# KiCad board SST60HS.kicad_pcb
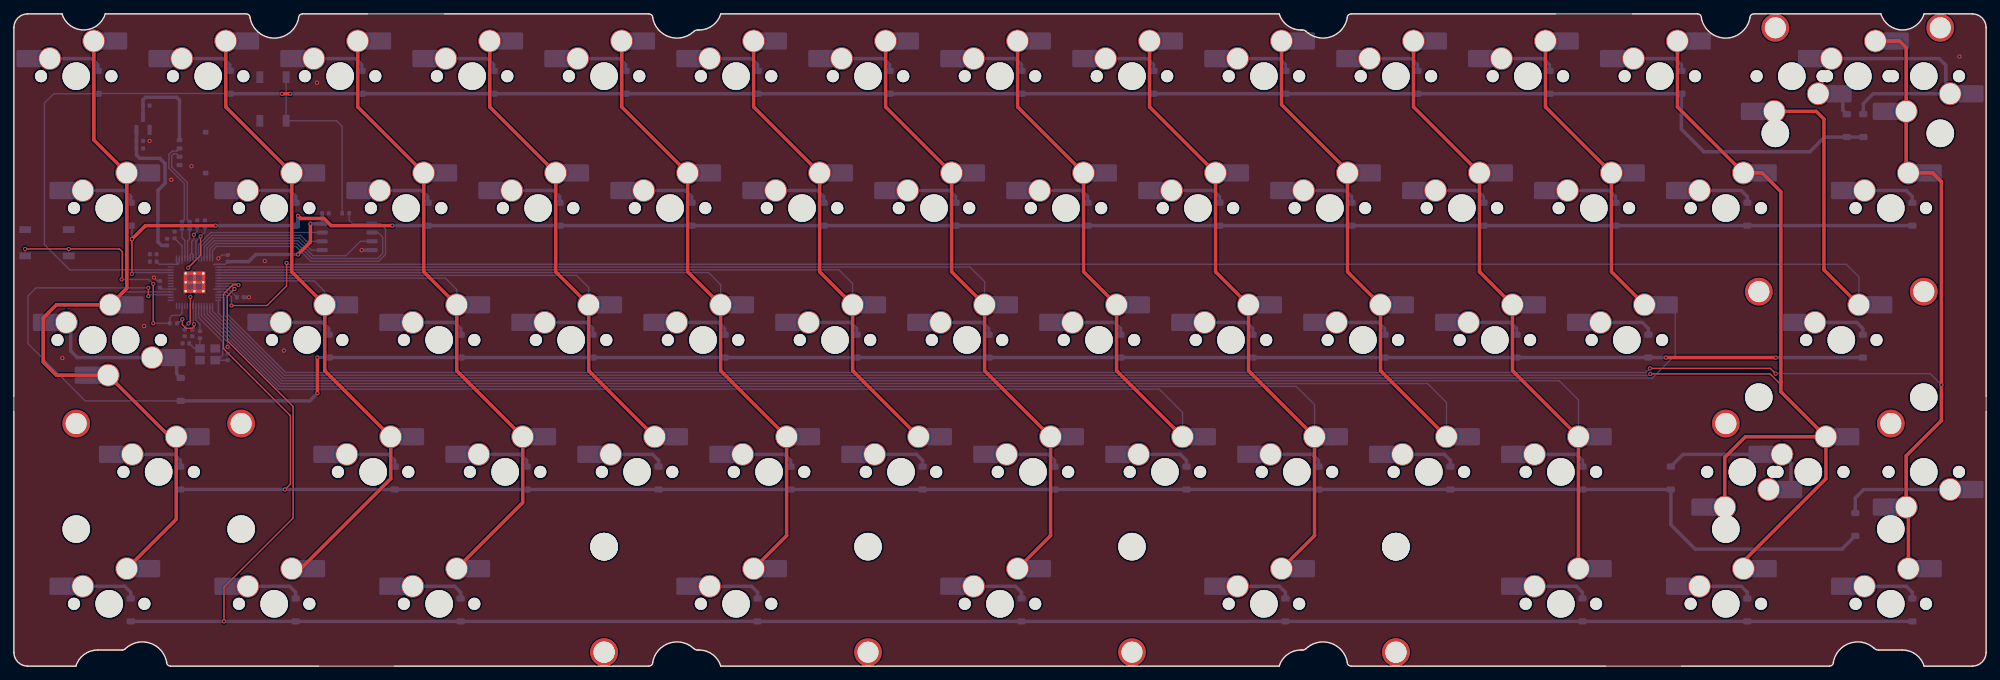
[diagram p0: board, top side]
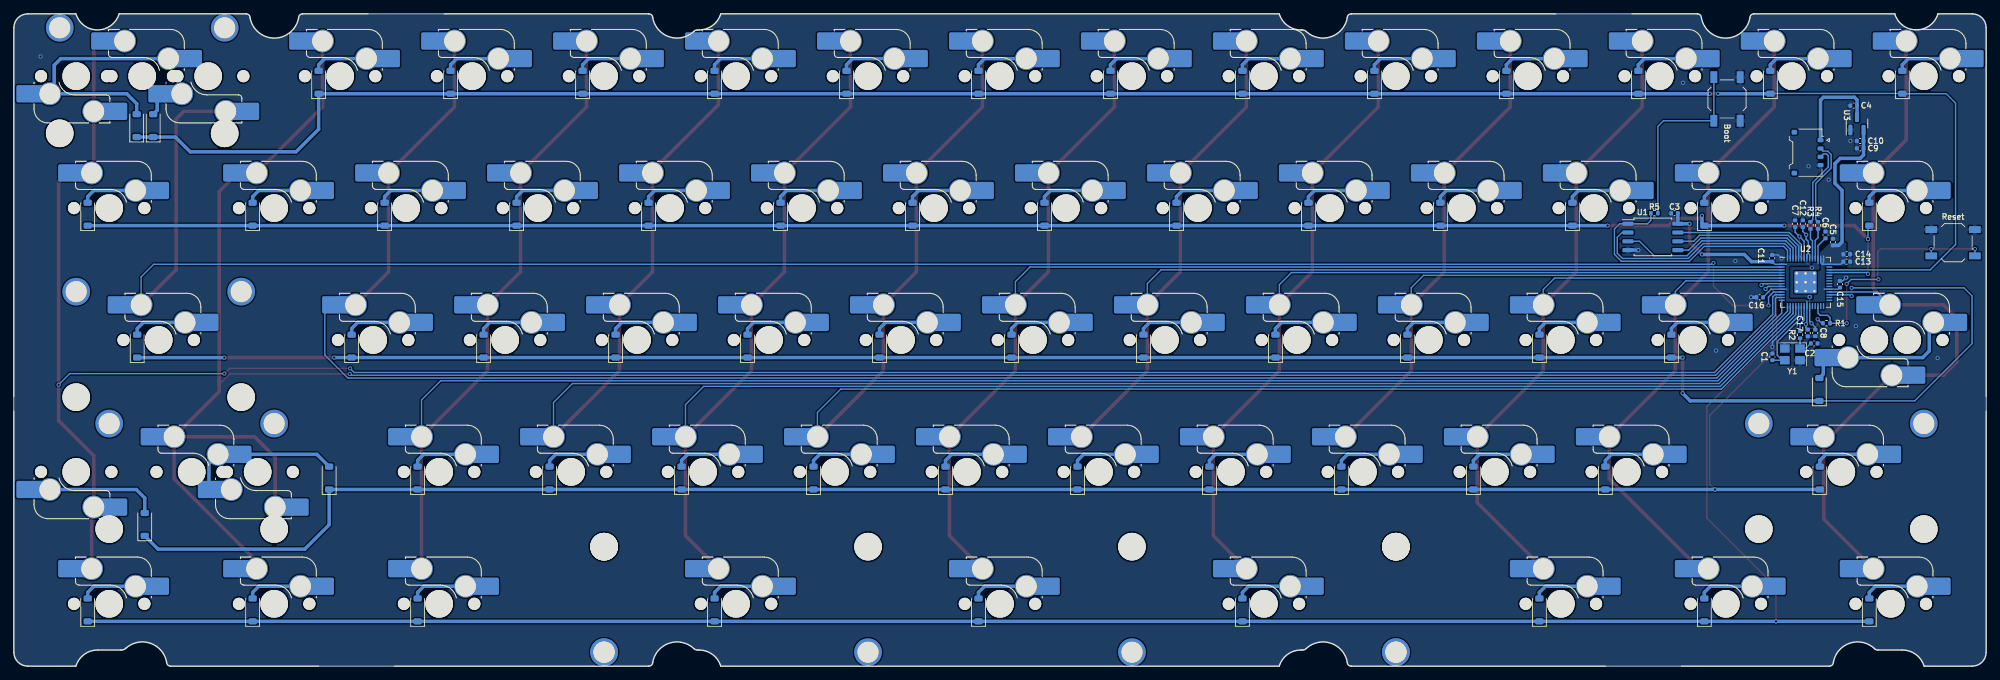
[diagram p1: board, bottom side, seen from below]

Outline 284.7 x 94.2 mm; copper layers: Top, Bottom. Coordinates in mm from the lower left corner of the outline.
Stack: Top 0.035mm / dielectric 1.51mm FR4 er 4.5 / Bottom 0.035mm

## Placement (name value [footprint] x y rotation side)
C1  22pF  [C_0402_1005Metric]  30.86 44.66 270 bottom
C2  22pF  [C_0402_1005Metric]  24.83 46.61 0 bottom
C3  .1u  [C_0402_1005Metric]  44.99 65.4 0 bottom
C4  1u  [C_0402_1005Metric]  19.12 80.95 0 bottom
C5  1u  [C_0402_1005Metric]  22.12 61.24 90 bottom
C6  1u  [C_0402_1005Metric]  23.2 62.27 90 bottom
C7  .1u  [C_0402_1005Metric]  27.58 63.9 90 bottom
C8  .1u  [C_0402_1005Metric]  24.67 48.13 270 bottom
C9  10u  [C_0402_1005Metric]  18.18 74.78 0 bottom
C10  1u  [C_0402_1005Metric]  18.18 75.85 0 bottom
C11  .1u  [C_0402_1005Metric]  30.89 58.9 90 bottom
C12  .1u  [C_0402_1005Metric]  26.47 63.9 90 bottom
C13  .1u  [C_0402_1005Metric]  20.13 58.42 180 bottom
C14  .1u  [C_0402_1005Metric]  20.13 59.49 180 bottom
C15  .1u  [C_0402_1005Metric]  21.11 55.15 90 bottom
C16  .1u  [C_0402_1005Metric]  32.69 53.27 0 bottom
C17  .1u  [C_0402_1005Metric]  25.76 48.12 270 bottom
D1  D_Small  [D_SOD-123]  12.11 84.32 90 bottom
D2  D_Small  [D_SOD-123]  31.16 84.32 90 bottom
D3  D_Small  [D_SOD-123]  50.21 84.32 90 bottom
D4  D_Small  [D_SOD-123]  69.26 84.32 90 bottom
D5  D_Small  [D_SOD-123]  88.31 84.32 90 bottom
D6  D_Small  [D_SOD-123]  107.36 84.32 90 bottom
D7  D_Small  [D_SOD-123]  126.41 84.32 90 bottom
D8  D_Small  [D_SOD-123]  145.46 84.32 90 bottom
D9  D_Small  [D_SOD-123]  164.51 84.32 90 bottom
D10  D_Small  [D_SOD-123]  183.56 84.32 90 bottom
D11  D_Small  [D_SOD-123]  202.61 84.32 90 bottom
D12  D_Small  [D_SOD-123]  221.66 84.32 90 bottom
D13  D_Small  [D_SOD-123]  240.71 84.32 90 bottom
D14  D_Small  [D_SOD-123]  264.59 78.06 90 bottom
D15  D_Small  [D_SOD-123]  266.97 78.06 90 bottom
D17  D_Small  [D_SOD-123]  16.87 65.27 90 bottom
D18  D_Small  [D_SOD-123]  40.68 65.27 90 bottom
D19  D_Small  [D_SOD-123]  59.73 65.27 90 bottom
D20  D_Small  [D_SOD-123]  78.78 65.27 90 bottom
D21  D_Small  [D_SOD-123]  97.83 65.27 90 bottom
D22  D_Small  [D_SOD-123]  116.88 65.27 90 bottom
D23  D_Small  [D_SOD-123]  135.93 65.27 90 bottom
D24  D_Small  [D_SOD-123]  154.98 65.27 90 bottom
D25  D_Small  [D_SOD-123]  174.03 65.27 90 bottom
D26  D_Small  [D_SOD-123]  193.08 65.27 90 bottom
D27  D_Small  [D_SOD-123]  212.13 65.27 90 bottom
D28  D_Small  [D_SOD-123]  231.18 65.27 90 bottom
D29  D_Small  [D_SOD-123]  250.23 65.27 90 bottom
D30  D_Small  [D_SOD-123]  274.04 65.27 90 bottom
D32  D_Small  [D_SOD-123]  24.08 39.96 90 bottom
D33  D_Small  [D_SOD-123]  45.44 46.22 90 bottom
D34  D_Small  [D_SOD-123]  64.49 46.22 90 bottom
D35  D_Small  [D_SOD-123]  83.54 46.22 90 bottom
D36  D_Small  [D_SOD-123]  102.59 46.22 90 bottom
D37  D_Small  [D_SOD-123]  121.64 46.22 90 bottom
D38  D_Small  [D_SOD-123]  140.69 46.22 90 bottom
D39  D_Small  [D_SOD-123]  159.74 46.22 90 bottom
D40  D_Small  [D_SOD-123]  178.79 46.22 90 bottom
D41  D_Small  [D_SOD-123]  197.84 46.22 90 bottom
D42  D_Small  [D_SOD-123]  216.89 46.22 90 bottom
D43  D_Small  [D_SOD-123]  235.94 46.22 90 bottom
D44  D_Small  [D_SOD-123]  266.9 46.22 90 bottom
D45  D_Small  [D_SOD-123]  24.01 27.17 90 bottom
D46  D_Small  [D_SOD-123]  54.97 27.17 90 bottom
D47  D_Small  [D_SOD-123]  74.02 27.17 90 bottom
D48  D_Small  [D_SOD-123]  93.07 27.17 90 bottom
D49  D_Small  [D_SOD-123]  112.12 27.17 90 bottom
D50  D_Small  [D_SOD-123]  131.17 27.17 90 bottom
D51  D_Small  [D_SOD-123]  150.22 27.17 90 bottom
D52  D_Small  [D_SOD-123]  169.27 27.17 90 bottom
D53  D_Small  [D_SOD-123]  188.32 27.17 90 bottom
D54  D_Small  [D_SOD-123]  207.37 27.17 90 bottom
D55  D_Small  [D_SOD-123]  226.42 27.17 90 bottom
D57  D_Small  [D_SOD-123]  239.19 27.17 90 bottom
D58  D_Small  [D_SOD-123]  265.81 20.47 90 bottom
D59  D_Small  [D_SOD-123]  16.87 8.12 90 bottom
D60  D_Small  [D_SOD-123]  40.68 8.12 90 bottom
D61  D_Small  [D_SOD-123]  64.49 8.12 90 bottom
D62  D_Small  [D_SOD-123]  107.36 8.12 90 bottom
D63  D_Small  [D_SOD-123]  145.46 8.12 90 bottom
D64  D_Small  [D_SOD-123]  183.56 8.12 90 bottom
D65  D_Small  [D_SOD-123]  226.42 8.12 90 bottom
D66  D_Small  [D_SOD-123]  250.23 8.12 90 bottom
D67  D_Small  [D_SOD-123]  274.04 8.12 90 bottom
H1  PCB Outline  [L60 Outline]  142.34 44.57 0 top
J1  SM04B  [Molex_Pico-EZmate_78171-0004_1x04-1MP_P1.20mm_Vertical]  25.79 74.16 270 bottom
R1  1k  [R_0402_1005Metric]  23.04 49.52 180 bottom
R2  1k  [R_0402_1005Metric]  26.87 47.86 90 bottom
R3  27  [R_0402_1005Metric]  25.37 63.66 270 bottom
R4  27  [R_0402_1005Metric]  24.27 63.66 270 bottom
R5  1k  [R_0402_1005Metric]  47.9 65.41 0 bottom
S15  MX_stab  [STAB_MX_P_2u]  266.18 85.2 0 top
S44  MX_stab  [STAB_MX_P_2.25u]  263.79 47.1 0 top
S45  MX_stab  [STAB_MX_P_2.25u]  20.91 28.05 0 top
S57  MX_stab  [STAB_MX_P_2.75u]  259.03 28.05 0 top
S62  MX_stab  [STAB_MX_P_3u]  104.25 9 180 top
S63  MX_stab  [STAB_MX_P_7u]  142.35 9 180 top
S64  MX_stab  [STAB_MX_P_3u]  180.45 9 180 top
SW1  MX_SW_HS  [SW_MX_HS_1u]  9 85.2 180 bottom
SW2  MX_SW_HS  [SW_MX_HS_1u]  28.05 85.2 180 bottom
SW3  MX_SW_HS  [SW_MX_HS_1u]  47.1 85.2 180 bottom
SW4  MX_SW_HS  [SW_MX_HS_1u]  66.15 85.2 180 bottom
SW5  MX_SW_HS  [SW_MX_HS_1u]  85.2 85.2 180 bottom
SW6  MX_SW_HS  [SW_MX_HS_1u]  104.25 85.2 180 bottom
SW7  MX_SW_HS  [SW_MX_HS_1u]  123.3 85.2 180 bottom
SW8  MX_SW_HS  [SW_MX_HS_1u]  142.35 85.2 180 bottom
SW9  MX_SW_HS  [SW_MX_HS_1u]  161.4 85.2 180 bottom
SW10  MX_SW_HS  [SW_MX_HS_1u]  180.45 85.2 180 bottom
SW11  MX_SW_HS  [SW_MX_HS_1u]  199.5 85.2 180 bottom
SW12  MX_SW_HS  [SW_MX_HS_1u]  218.55 85.2 180 bottom
SW13  MX_SW_HS  [SW_MX_HS_1u]  237.6 85.2 180 bottom
SW14  MX_SW_HS  [SW_MX_HS_1u]  256.65 85.2 0 bottom
SW15  MX_SW_HS  [SW_MX_HS_1u]  266.18 85.2 180 bottom
SW16  MX_SW_HS  [SW_MX_HS_1u]  275.7 85.2 0 bottom
SW17  MX_SW_HS  [SW_MX_HS_1u]  13.76 66.15 180 bottom
SW18  MX_SW_HS  [SW_MX_HS_1u]  37.58 66.15 180 bottom
SW19  MX_SW_HS  [SW_MX_HS_1u]  56.63 66.15 180 bottom
SW20  MX_SW_HS  [SW_MX_HS_1u]  75.68 66.15 180 bottom
SW21  MX_SW_HS  [SW_MX_HS_1u]  94.73 66.15 180 bottom
SW22  MX_SW_HS  [SW_MX_HS_1u]  113.78 66.15 180 bottom
SW23  MX_SW_HS  [SW_MX_HS_1u]  132.83 66.15 180 bottom
SW24  MX_SW_HS  [SW_MX_HS_1u]  151.88 66.15 180 bottom
SW25  MX_SW_HS  [SW_MX_HS_1u]  170.93 66.15 180 bottom
SW26  MX_SW_HS  [SW_MX_HS_1u]  189.98 66.15 180 bottom
SW27  MX_SW_HS  [SW_MX_HS_1u]  209.03 66.15 180 bottom
SW28  MX_SW_HS  [SW_MX_HS_1u]  228.08 66.15 180 bottom
SW29  MX_SW_HS  [SW_MX_HS_1u]  247.13 66.15 180 bottom
SW30  MX_SW_HS  [SW_MX_HS_1u]  270.94 66.15 180 bottom
SW31  MX_SW_HS  [SW_MX_HS_1u]  11.38 47.1 180 bottom
SW32  MX_SW_HS  [SW_MX_HS_1u]  16.14 47.1 0 bottom
SW33  MX_SW_HS  [SW_MX_HS_1u]  42.34 47.1 180 bottom
SW34  MX_SW_HS  [SW_MX_HS_1u]  61.39 47.1 180 bottom
SW35  MX_SW_HS  [SW_MX_HS_1u]  80.44 47.1 180 bottom
SW36  MX_SW_HS  [SW_MX_HS_1u]  99.49 47.1 180 bottom
SW37  MX_SW_HS  [SW_MX_HS_1u]  118.54 47.1 180 bottom
SW38  MX_SW_HS  [SW_MX_HS_1u]  137.59 47.1 180 bottom
SW39  MX_SW_HS  [SW_MX_HS_1u]  156.64 47.1 180 bottom
SW40  MX_SW_HS  [SW_MX_HS_1u]  175.69 47.1 180 bottom
SW41  MX_SW_HS  [SW_MX_HS_1u]  194.74 47.1 180 bottom
SW42  MX_SW_HS  [SW_MX_HS_1u]  213.79 47.1 180 bottom
SW43  MX_SW_HS  [SW_MX_HS_1u]  232.84 47.1 180 bottom
SW44  MX_SW_HS  [SW_MX_HS_1u]  263.79 47.1 180 bottom
SW45  MX_SW_HS  [SW_MX_HS_1u]  20.91 28.05 180 bottom
SW46  MX_SW_HS  [SW_MX_HS_1u]  51.86 28.05 180 bottom
SW47  MX_SW_HS  [SW_MX_HS_1u]  70.91 28.05 180 bottom
SW48  MX_SW_HS  [SW_MX_HS_1u]  89.96 28.05 180 bottom
SW49  MX_SW_HS  [SW_MX_HS_1u]  109.01 28.05 180 bottom
SW50  MX_SW_HS  [SW_MX_HS_1u]  128.06 28.05 180 bottom
SW51  MX_SW_HS  [SW_MX_HS_1u]  147.11 28.05 180 bottom
SW52  MX_SW_HS  [SW_MX_HS_1u]  166.16 28.05 180 bottom
SW53  MX_SW_HS  [SW_MX_HS_1u]  185.21 28.05 180 bottom
SW54  MX_SW_HS  [SW_MX_HS_1u]  204.26 28.05 180 bottom
SW55  MX_SW_HS  [SW_MX_HS_1u]  223.31 28.05 180 bottom
SW56  MX_SW_HS  [SW_MX_HS_1u]  249.51 28.05 0 bottom
SW57  MX_SW_HS  [SW_MX_HS_1u]  259.03 28.05 180 bottom
SW58  MX_SW_HS  [SW_MX_HS_1u]  275.7 28.05 0 bottom
SW59  MX_SW_HS  [SW_MX_HS_1u]  13.76 9 180 bottom
SW60  MX_SW_HS  [SW_MX_HS_1u]  37.58 9 180 bottom
SW61  MX_SW_HS  [SW_MX_HS_1u]  61.39 9 180 bottom
SW62  MX_SW_HS  [SW_MX_HS_1u]  104.25 9 180 bottom
SW63  MX_SW_HS  [SW_MX_HS_1u]  142.35 9 180 bottom
SW64  MX_SW_HS  [SW_MX_HS_1u]  180.45 9 180 bottom
SW65  MX_SW_HS  [SW_MX_HS_1u]  223.31 9 180 bottom
SW66  MX_SW_HS  [SW_MX_HS_1u]  247.13 9 180 bottom
SW67  MX_SW_HS  [SW_MX_HS_1u]  270.94 9 180 bottom
SW68  Boot  [SW_SPST_TL3342]  37.41 81.91 270 bottom
SW69  Reset  [SW_SPST_TL3342]  4.78 61.15 0 bottom
U1  W25Q128JVS  [SOIC-8_5.23x5.23mm_P1.27mm]  48.11 61.99 180 bottom
U2  RP2040  [RP2040-QFN-56]  26.08 55.43 180 bottom
U3  XC6206PxxxMR  [SOT-23]  18.65 78.37 90 bottom
Y1  12MHz  [Crystal_SMD_3225-4Pin_3.2x2.5mm]  27.97 45.03 0 bottom

## Library data of the parts
C1-C17 = -: Description: Unpolarized capacitor, small symbol
D1-D15 D17-D30 D32-D55 D57-D67 = -: Description: Diode, small symbol; Sim.Device: D; Sim.Pins: 1=K 2=A
J1 = -: Description: Generic connector, single row, 01x04, script generated (kicad-library-utils/schlib/autogen/connector/)
R1-R5 = -: Description: Resistor, small symbol
S15 S44 S45 S57 S62-S64 = -: Description: Cherry MX-style stabilizer
SW1-SW67 = -: Description: Push button switch, normally open, two pins, 45° tilted
SW68 SW69 = -: Description: Push button switch, generic, two pins
U1 = -: Description: 128Mb Serial Flash Memory, Standard/Dual/Quad SPI, SOIC-8
U3 = -: Description: Positive 60-250mA Low Dropout Regulator, Fixed Output, SOT-23
Y1 = -: Description: Four pin crystal, GND on pins 2 and 4, small symbol

## Footprints (pads in the part's own frame, mm; a bottom-side part is the same pattern mirrored in y, then rotated)
C_0402_1005Metric
  rrect 0.56x0.62 smd: 1(-0.48,0) 2(0.48,0)
Crystal_SMD_3225-4Pin_3.2x2.5mm
  rect 1.4x1.2 smd: 1(-1.1,-0.85) 2(1.1,-0.85) 3(1.1,0.85) 4(-1.1,0.85)
D_SOD-123
  rrect 0.9x1.2 smd: 1(-1.65,0) 2(1.65,0)
Molex_Pico-EZmate_78171-0004_1x04-1MP_P1.20mm_Vertical
  rrect 0.6x0.85 smd: 1(-1.8,1.875) 2(-0.6,1.875) 3(0.6,1.875) 4(1.8,1.875)
  rrect 0.7x0.8 smd: MP(-2.95,-1.9) MP(2.95,-1.9)
R_0402_1005Metric
  rrect 0.54x0.64 smd: 1(-0.51,0) 2(0.51,0)
RP2040-QFN-56
  rrect 1.084x1.084 smd: (-0.637,-0.637) (-0.637,0.637) (0.637,-0.637) (0.637,0.637)
  rrect 0.875x0.2 smd: 1(-3.438,2.6) 2(-3.438,2.2) 3(-3.438,1.8) 4(-3.438,1.4) 5(-3.438,1) 6(-3.438,0.6) 7(-3.438,0.2) 8(-3.438,-0.2) 9(-3.438,-0.6) 10(-3.438,-1) 11(-3.438,-1.4) 12(-3.438,-1.8) 13(-3.438,-2.2) 14(-3.438,-2.6) 29(3.438,-2.6) 30(3.438,-2.2) 31(3.438,-1.8) 32(3.438,-1.4) 33(3.438,-1) 34(3.438,-0.6) 35(3.438,-0.2) 36(3.438,0.2) 37(3.438,0.6) 38(3.438,1) 39(3.438,1.4) 40(3.438,1.8) 41(3.438,2.2) 42(3.438,2.6)
  rrect 0.2x0.875 smd: 15(-2.6,-3.438) 16(-2.2,-3.438) 17(-1.8,-3.438) 18(-1.4,-3.438) 19(-1,-3.438) 20(-0.6,-3.438) 21(-0.2,-3.438) 22(0.2,-3.438) 23(0.6,-3.438) 24(1,-3.438) 25(1.4,-3.438) 26(1.8,-3.438) 27(2.2,-3.438) 28(2.6,-3.438) 43(2.6,3.438) 44(2.2,3.438) 45(1.8,3.438) 46(1.4,3.438) 47(1,3.438) 48(0.6,3.438) 49(0.2,3.438) 50(-0.2,3.438) 51(-0.6,3.438) 52(-1,3.438) 53(-1.4,3.438) 54(-1.8,3.438) 55(-2.2,3.438) 56(-2.6,3.438)
  round 0.6 hole 0.35: 57(-1.275,-1.275) 57(-1.275,0) 57(-1.275,1.275) 57(0,-1.275) 57(0,0) 57(0,1.275) 57(1.275,-1.275) 57(1.275,0) 57(1.275,1.275)
  rrect 3.2x3.2 smd: 57(0,0)
SOIC-8_5.23x5.23mm_P1.27mm
  rrect 1.6x0.6 smd: 1(-3.6,1.905) 2(-3.6,0.635) 3(-3.6,-0.635) 4(-3.6,-1.905) 5(3.6,-1.905) 6(3.6,-0.635) 7(3.6,0.635) 8(3.6,1.905)
SOT-23
  rrect 1.475x0.6 smd: 1(-0.938,0.95) 2(-0.938,-0.95) 3(0.938,0)
STAB_MX_P_2.25u
  round 4 hole 3.048: (-11.906,6.985) (11.906,6.985)
  round 3.988 hole 3.988 unplated: (-11.906,-8.255) (11.906,-8.255)
STAB_MX_P_2.75u
  round 4 hole 3.048: (-11.906,6.985) (11.906,6.985)
  round 3.988 hole 3.988 unplated: (-11.906,-8.255) (11.906,-8.255)
STAB_MX_P_2u
  round 4 hole 3.048: (-11.906,6.985) (11.906,6.985)
  round 3.988 hole 3.988 unplated: (-11.906,-8.255) (11.906,-8.255)
STAB_MX_P_3u
  round 4 hole 3.048: (-19.05,6.985) (19.05,6.985)
  round 3.988 hole 3.988 unplated: (-19.05,-8.255) (19.05,-8.255)
STAB_MX_P_7u
  round 4 hole 3.048: (-57.15,6.985) (57.15,6.985)
  round 3.988 hole 3.988 unplated: (-57.15,-8.255) (57.15,-8.255)
SW_MX_HS_1u
  round 1.75 hole 1.75 unplated: (-5.08,0) (5.08,0)
  round 3.988 hole 3.988 unplated: (0,0)
  round 3.3 hole 3: 1(3.81,2.54) 2(-2.54,5.08)
  rect 1.65x2.5 smd: 1(5.635,2.54) 2(-4.34,5.08)
  rrect 2.55x2.5 smd: 1(7.36,2.54) 2(-6.09,5.08)
SW_SPST_TL3342
  rect 1.7x1 smd: 1(-3.15,1.9) 1(3.15,1.9) 2(-3.15,-1.9) 2(3.15,-1.9)

## Nets
+1V1: C6.1 C7.1 C8.1 U2.23 U2.45 U2.50
+3V3: C3.1 C5.1 C9.1 C10.1 C11.1 C12.1 C13.1 C14.1 C15.1 C16.1 C17.1 R1.1 U1.8 U2.1 U2.10 U2.22 U2.33 U2.42 U2.43 U2.44 U2.48 U2.49 U3.2
+5V: C4.1 J1.1 U3.3
GND: C1.1 C2.1 C3.2 C4.2 C5.2 C6.2 C7.2 C8.2 C9.2 C10.2 C11.2 C12.2 C13.2 C14.2 C15.2 C16.2 C17.2 J1.4 SW68.1 SW69.2 U1.4 U2.19 U2.57 U3.1 Y1.2 Y1.4
col0: SW1.2 SW17.2 SW31.2 SW32.2 SW45.2 SW59.2 U2.32
col1: SW2.2 SW18.2 SW33.2 SW46.2 SW60.2 U2.7
col2: SW3.2 SW19.2 SW34.2 SW47.2 SW61.2 U2.6
col3: SW4.2 SW20.2 SW35.2 SW48.2 U2.5
col4: SW5.2 SW21.2 SW36.2 SW49.2 SW62.2 U2.4
col5: SW6.2 SW22.2 SW37.2 SW50.2 U2.3
col6: SW7.2 SW23.2 SW38.2 SW51.2 SW63.2 U2.2
col7: SW8.2 SW24.2 SW39.2 SW52.2 U2.18
col8: SW9.2 SW25.2 SW40.2 SW53.2 SW64.2 U2.17
col9: SW10.2 SW26.2 SW41.2 SW54.2 U2.16
col10: SW11.2 SW27.2 SW42.2 SW55.2 SW65.2 U2.15
col11: SW12.2 SW28.2 SW43.2 U2.14
col12: SW13.2 SW29.2 SW56.2 SW57.2 SW66.2 U2.13
col13: SW14.2 SW44.2 U2.11
col14: SW15.2 SW16.2 SW30.2 SW58.2 SW67.2 U2.12
CS: R5.2 U1.1 U2.56
D+: J1.3 R3.1
D-: J1.2 R4.1
QSPI_CLK: U1.6 U2.52
RESET: R1.2 SW69.1 U2.26
row0: D1.1 D2.1 D3.1 D4.1 D5.1 D6.1 D7.1 D8.1 D9.1 D10.1 D11.1 D12.1 D13.1 D14.1 D15.1 U2.40
row1: D17.1 D18.1 D19.1 D20.1 D21.1 D22.1 D23.1 D24.1 D25.1 D26.1 D27.1 D28.1 D29.1 D30.1 U2.39
row2: D32.1 D33.1 D34.1 D35.1 D36.1 D37.1 D38.1 D39.1 D40.1 D41.1 D42.1 D43.1 D44.1 U2.31
row3: D45.1 D46.1 D47.1 D48.1 D49.1 D50.1 D51.1 D52.1 D53.1 D54.1 D55.1 D57.1 D58.1 U2.8
row4: D59.1 D60.1 D61.1 D62.1 D63.1 D64.1 D65.1 D66.1 D67.1 U2.9
SD0: U1.5 U2.53
SD1: U1.2 U2.55
SD2: U1.3 U2.54
SD3: U1.7 U2.51
SWCLK: U2.24
SWDIO: U2.25
XTAL_IN: C1.2 U2.20 Y1.3
XTAL_OUT: R2.2 U2.21
Net-(C2-Pad2): C2.2 R2.1 Y1.1
Net-(D1-A): D1.2 SW1.1
Net-(D2-A): D2.2 SW2.1
Net-(D3-A): D3.2 SW3.1
Net-(D4-A): D4.2 SW4.1
Net-(D5-A): D5.2 SW5.1
Net-(D6-A): D6.2 SW6.1
Net-(D7-A): D7.2 SW7.1
Net-(D8-A): D8.2 SW8.1
Net-(D9-A): D9.2 SW9.1
Net-(D10-A): D10.2 SW10.1
Net-(D11-A): D11.2 SW11.1
Net-(D12-A): D12.2 SW12.1
Net-(D13-A): D13.2 SW13.1
Net-(D14-A): D14.2 SW14.1
Net-(D15-A): D15.2 SW15.1 SW16.1
Net-(D17-A): D17.2 SW17.1
Net-(D18-A): D18.2 SW18.1
Net-(D19-A): D19.2 SW19.1
Net-(D20-A): D20.2 SW20.1
Net-(D21-A): D21.2 SW21.1
Net-(D22-A): D22.2 SW22.1
Net-(D23-A): D23.2 SW23.1
Net-(D24-A): D24.2 SW24.1
Net-(D25-A): D25.2 SW25.1
Net-(D26-A): D26.2 SW26.1
Net-(D27-A): D27.2 SW27.1
Net-(D28-A): D28.2 SW28.1
Net-(D29-A): D29.2 SW29.1
Net-(D30-A): D30.2 SW30.1
Net-(D32-A): D32.2 SW31.1 SW32.1
Net-(D33-A): D33.2 SW33.1
Net-(D34-A): D34.2 SW34.1
Net-(D35-A): D35.2 SW35.1
Net-(D36-A): D36.2 SW36.1
Net-(D37-A): D37.2 SW37.1
Net-(D38-A): D38.2 SW38.1
Net-(D39-A): D39.2 SW39.1
Net-(D40-A): D40.2 SW40.1
Net-(D41-A): D41.2 SW41.1
Net-(D42-A): D42.2 SW42.1
Net-(D43-A): D43.2 SW43.1
Net-(D44-A): D44.2 SW44.1
Net-(D45-A): D45.2 SW45.1
Net-(D46-A): D46.2 SW46.1
Net-(D47-A): D47.2 SW47.1
Net-(D48-A): D48.2 SW48.1
Net-(D49-A): D49.2 SW49.1
Net-(D50-A): D50.2 SW50.1
Net-(D51-A): D51.2 SW51.1
Net-(D52-A): D52.2 SW52.1
Net-(D53-A): D53.2 SW53.1
Net-(D54-A): D54.2 SW54.1
Net-(D55-A): D55.2 SW55.1
Net-(D57-A): D57.2 SW56.1 SW57.1
Net-(D58-A): D58.2 SW58.1
Net-(D59-A): D59.2 SW59.1
Net-(D60-A): D60.2 SW60.1
Net-(D61-A): D61.2 SW61.1
Net-(D62-A): D62.2 SW62.1
Net-(D63-A): D63.2 SW63.1
Net-(D64-A): D64.2 SW64.1
Net-(D65-A): D65.2 SW65.1
Net-(D66-A): D66.2 SW66.1
Net-(D67-A): D67.2 SW67.1
Net-(R5-Pad1): R5.1 SW68.2
Net-(U2-D+): R3.2 U2.47
Net-(U2-D-): R4.2 U2.46

Pads without a net: J1 MP; U2 27 28 29 30 34 35 36 37 38 41

## Via types
v1: diameter 0.6, hole 0.35, Top to Bottom, 52 vias

## Routing (per net, layer and track width the routed paths; a pad name or vN(x,y) marks a point on that pad's centre or on a via; arc(x,y) is an arc through that point)
+1V1: length 22.1
  Top w0.2: v1(25.48,53.33) 25.48,49.77 v1(25.21,49.5) ; v1(25.17,57.53) 26.96,59.32 v1(26.96,62.05)
  Bottom w0.2: U2.23 25.48,49.77 v1(25.21,49.5) 24.67,48.96 C8.1 ; C7.1 27.58,62.67 v1(26.96,62.05) 26.28,61.37 U2.50 ; C6.1 24.28,60.71 U2.45 24.28,58.16
+3V3: length 68.2
  Top w0.2: v1(24.33,50.1) 24.33,49.31 24.85,48.79 25.75,48.79 26.02,49.06 v1(26.02,49.37)
  Top w0.5: v1(41.01,59.45) 42.82,61.26 v1(42.82,63.9)
  Bottom w0.2: v1(24.33,50.1) 23.75,49.52 R1.1 ; U2.44 23.88,58.28 23.68,58.08 ; U2.43 23.48,58.28 23.68,58.08 ; U2.49 25.88,59.43 25.68,59.63 ; 23.68,58.08 23.63,58.03 U2.42 20.99,58.03 C13.1 ; C17.1 26.02,48.86 v1(26.02,49.37) 25.88,49.52 U2.22 25.88,52.71 ; C12.1 26.47,62.79 v1(25.98,62.3) 25.98,61.64 25.68,61.34 25.68,59.63 ; 28.82,58.03 U2.1 30.5,58.03 C11.1 ; C16.1 31.04,54.43 U2.10 28.8,54.43 ; C15.1 21.34,54.43 U2.33 23.37,54.43 23.38,54.44 ; U2.48 25.48,59.43 25.68,59.63
  Bottom w0.5: U3.2 C9.1 17.7,73.82 18.18,73.34 21.07,73.34 21.83,72.58 21.83,69.73 20.81,68.71 20.81,61.26 21.31,60.76 C5.1 ; C3.1 U1.8 42.82,63.89 v1(42.82,63.9) ; v1(41.01,59.45) 34.91,59.45 33.88,58.42 C11.1
+5V: length 13.9
  Bottom w0.5: U3.3 18.64,79.31 C4.1 18.64,81.78 19.02,82.16 23.5,82.16 23.91,81.74 J1.1
GND: length 27.7
  Top w0.5: U2.57 U2.57 ; U2.57 U2.57 ; U2.57 U2.57 U2.57 U2.57 U2.57
  Bottom w0.2: C11.2 30.02,59.38 v1(29.53,58.89) ; v1(20.23,56.12) 20.72,55.63 C15.2 ; U2.19 27.08,50.59 30.86,46.81 v1(30.86,46.12)
  Bottom w0.5: U1.4 50.21,60.08 v1(50.21,60.08) ; C16.2 v1(33.95,53.27)
  vias: v1(7.01,44.49) v1(18.81,49.11) v1(19.6,75.85) v1(22.73,70.25) v1(25.65,72.19) v1(36.22,58.52) v1(38.98,45.57) v1(43.76,84.25) v1(280.85,88.04)
col0: length 113.1
  Top w0.5: SW1.2 11.54,75.99 SW17.2 16.3,54.56 SW31.2 6.14,52.18 4.24,50.27 4.24,43.92 6.14,42.02 SW32.2 22.49,33.13 SW45.2 23.45,21.22 SW59.2
  Bottom w0.2: SW31.2 15.78,54.03 U2.32
col1: length 110.7
  Top w0.5: SW60.2 41.42,14.08 54.4,27.06 SW46.2 44.88,42.65 SW33.2 40.12,56.94 SW18.2 30.59,80.75 SW2.2
  Bottom w0.2: U2.7 43.35,55.63 44.88,54.1 SW33.2
col2: length 127.3
  Top w0.5: SW61.2 73.45,23.6 SW47.2 63.93,42.65 SW34.2 59.17,56.94 SW19.2 49.64,80.75 SW3.2
  Bottom w0.2: U2.6 62.29,56.03 63.93,54.39 SW34.2
col3: length 123.7
  Top w0.5: SW4.2 68.69,80.75 SW20.2 78.22,56.94 SW35.2 82.98,42.65 SW48.2
  Bottom w0.2: U2.5 81.21,56.43 82.98,54.66 SW35.2
col4: length 164.2
  Top w0.5: SW62.2 111.55,18.84 SW49.2 102.03,42.65 SW36.2 97.27,56.94 SW21.2 87.74,80.75 SW5.2
  Bottom w0.2: U2.4 100.28,56.83 102.03,55.08 SW36.2
col5: length 162.5
  Top w0.5: SW50.2 121.08,42.65 SW37.2 116.32,56.94 SW22.2 106.79,80.75 SW6.2
  Bottom w0.2: SW37.2 121.08,55.25 119.1,57.23 U2.3
col6: length 202.9
  Top w0.5: 125.84,90.28 125.84,80.75 SW23.2 135.37,56.94 SW38.2 140.13,42.65 SW51.2 149.65,18.84 SW63.2
  Bottom w0.2: U2.2 138.02,57.63 140.13,55.52 SW38.2
col7: length 218.8
  Top w0.5: SW52.2 159.18,42.65 SW39.2 154.42,56.94 SW24.2 144.89,80.75 SW8.2
  Bottom w0.2: U2.18 27.48,50.75 38.22,40.01 165.34,40.01 168.7,36.64 SW52.2
col8: length 259.1
  Top w0.5: SW9.2 163.94,80.75 SW25.2 173.47,56.94 SW40.2 178.23,42.65 SW53.2 187.75,18.84 SW64.2
  Bottom w0.2: U2.17 27.88,50.92 38.39,40.41 185.12,40.41 187.75,37.77 SW53.2
col9: length 256.8
  Top w0.5: SW54.2 197.28,42.65 SW41.2 192.52,56.94 SW26.2 192.52,71.55 182.99,81.07 SW10.2
  Bottom w0.2: U2.16 28.28,51.08 38.55,40.81 204.07,40.81 206.8,38.07 SW54.2
col10: length 294.6
  Top w0.5: SW65.2 SW55.2 216.33,42.65 SW42.2 211.57,56.94 SW27.2 202.04,80.75 SW11.2
  Bottom w0.2: SW55.2 225.85,38.44 223.09,41.21 38.72,41.21 28.68,51.25 U2.15
col11: length 269.1
  Top w0.5: SW43.2 230.62,56.94 SW28.2 221.09,80.75 SW12.2
  Bottom w0.2: SW43.2 239.82,51.29 239.82,44.93 236.5,41.61 38.88,41.61 29.51,50.98 U2.14
col12: length 347.4
  Top w0.2: 255.06,40.65 253.5,42.21 v1(236.23,42.21)
  Top w0.5: 255.06,41.11 255.06,39.64 SW57.2 ; 255.06,41.11 255.06,40.65 ; 255.06,41.11 255.06,68.53 252.36,71.23 SW29.2 240.14,80.75 SW13.2 ; SW57.2 249.96,33.13 246.97,30.14 SW56.2 ; SW57.2 261.57,27.06 249.67,15.16 SW66.2
  Bottom w0.2: U2.13 30.31,53.23 30.42,53.13 30.42,50.64 39.05,42.01 236.03,42.01 v1(236.23,42.21)
col13: length 284.3
  Top w0.2: v1(39.37,58.23) 39.37,54.9 36.55,52.08 v1(31.41,52.08)
  Top w0.5: SW44.2 261.29,57.23 261.29,79.01 260.17,80.12 SW14.2
  Bottom w0.2: v1(39.37,58.23) 39.57,58.03 264.51,58.03 266.33,56.21 SW44.2 ; U2.11 30.7,54.03 31.41,53.32 v1(31.41,52.08)
col14: length 342.5
  Top w0.2: v1(254.31,42.24) 253.55,43 v1(236.16,43)
  Top w0.5: SW15.2 272.21,90.28 273.16,89.33 SW16.2 273.16,71.55 SW30.2 276.97,71.23 278.24,69.96 v1(278.24,40.64) 278.24,35.46 273.16,30.38 SW58.2 273.48,22.65 SW67.2
  Bottom w0.2: v1(254.31,42.24) 276.63,42.24 v1(278.24,40.64) ; v1(236.16,43) 235.56,42.41 39.21,42.41 30.82,50.81 30.82,53.29 30.47,53.63 U2.12
CS: length 38.1
  Bottom w0.2: U2.56 28.68,60.05 29.25,60.62 40.69,60.62 42.84,58.48 52.66,58.48 53.66,59.47 53.66,63.13 52.89,63.89 U1.1 48.89,63.89 48.41,64.38 R5.2
D+: length 12
  Bottom w0.2: J1.3 23.49,73.98 23.05,73.98 22.79,73.72 22.79,72.09 25.03,69.85 25.03,64.51 R3.1
D-: length 12.7
  Bottom w0.2: R4.1 24.61,64.51 24.61,69.7 22.38,71.93 22.38,73.89 22.87,74.38 23.53,74.38 J1.2
QSPI_CLK: length 20.3
  Bottom w0.2: U2.52 27.08,60.71 28.59,62.22 41.36,62.22 42.23,61.35 U1.6
RESET: length 37
  Top w0.2: v1(20.13,55.21) v1(20.13,49.52) ; v1(15.55,55.85) 15.65,55.94 15.65,59.85 15.25,60.25 v1(7.93,60.25) v1(1.62,60.25)
  Bottom w0.2: v1(1.62,60.25) 1.62,59.26 SW69.1 ; v1(15.55,55.85) 19.49,55.85 v1(20.13,55.21) ; U2.26 24.28,50.99 23.96,50.67 22.89,50.67 22.53,50.31 R1.2 v1(20.13,49.52) ; SW69.1 v1(7.93,60.25)
row0: length 310.7
  Top w0.5: v1(39.9,82.67) v1(38.71,82.67)
  Bottom w0.2: U2.40 8.07,57.23 4.42,60.89 4.42,81.32 5.77,82.67 D1.1 12.15,82.71 31.12,82.71 D2.1
  Bottom w0.5: D15.1 D14.1 261.37,76.41 259.25,74.28 243.97,74.28 240.71,77.54 D13.1 D3.1 v1(39.9,82.67) ; v1(38.71,82.67) D2.1
row1: length 272.4
  Top w0.2: v1(17.05,56.64) v1(17.05,61.67)
  Top w0.5: v1(29.13,63.62) 19,63.62 v1(17.05,61.67) ; v1(54.65,63.62) 45.8,63.62 44.77,64.65 41.42,64.65 v1(41.02,65.05)
  Bottom w0.2: v1(17.05,56.64) 17.25,56.83 U2.39 ; D17.1 17.05,63.43 v1(17.05,61.67)
  Bottom w0.5: v1(54.65,63.62) D19.1 D30.1 ; v1(41.02,65.05) 41.02,63.95 D18.1 v1(29.13,63.62)
row2: length 303.2
  Top w0.2: v1(19.42,53.44) v1(19.42,54.63)
  Top w0.5: v1(254.31,44.56) 254.3,44.57 v1(238.47,44.57) ; v1(43.82,44.57) v1(43.82,39.41)
  Bottom w0.2: v1(19.42,54.63) 3.2,54.63 2.04,53.47 2.04,46.58 10.31,38.31 D32.1 ; v1(19.42,53.44) 19.61,53.63 U2.31
  Bottom w0.5: v1(238.47,44.57) D43.1 D33.1 v1(43.82,44.57) ; D32.1 42.71,38.31 v1(43.82,39.41) ; v1(254.31,44.56) 266.89,44.56 D44.1
row3: length 287.4
  Top w0.2: v1(39.14,25.51) 39.92,26.29 39.92,36.2 30.26,45.86 30.26,53.73 31.6,55.07 32.38,55.07 v1(32.42,55.03)
  Bottom w0.2: v1(32.42,55.03) 32.22,55.23 U2.8
  Bottom w0.5: D45.1 39.13,25.52 v1(39.14,25.51) 39.15,25.52 D57.1 239.19,20.41 242.71,16.9 263.89,16.9 D58.1
row4: length 316.2
  Top w0.2: v1(30.34,6.47) 30.34,11.42 40.32,21.4 40.32,37.51 30.82,47.01 30.82,53.44 v1(31.85,54.47)
  Bottom w0.2: U2.9 31.49,54.83 v1(31.85,54.47)
  Bottom w0.5: D67.1 D60.1 v1(30.34,6.47) D59.1
SD0: length 20
  Bottom w0.2: U1.5 42.93,60.08 41.19,61.82 28.75,61.82 27.48,60.55 U2.53
SD1: length 32
  Bottom w0.2: U2.55 28.28,60.21 29.08,61.02 40.86,61.02 43,58.88 52.5,58.88 53.25,59.63 53.25,61.93 52.55,62.62 U1.2
SD2: length 27.5
  Bottom w0.2: U2.54 27.88,60.38 28.92,61.42 41.02,61.42 43.17,59.28 47.95,59.28 50.02,61.35 U1.3
SD3: length 20.6
  Bottom w0.2: U1.7 28.42,62.62 26.68,60.88 U2.51
XTAL_IN: length 11.7
  Bottom w0.2: C1.2 Y1.3 29.44,44.18 30.16,44.9 30.16,46.87 26.68,50.35 U2.20
XTAL_OUT: length 3.9
  Bottom w0.2: R2.2 26.87,49.38 26.28,49.97 U2.21
Net-(C2-Pad2): length 3.3
  Bottom w0.2: R2.1 Y1.1 26.04,45.88 C2.2
Net-(D1-A): length 8.2
  Bottom w0.5: SW1.1 11.22,87.74 12.11,86.86 D1.2
Net-(D2-A): length 8.2
  Bottom w0.5: SW2.1 30.27,87.74 31.16,86.86 D2.2
Net-(D3-A): length 8.2
  Bottom w0.5: D3.2 50.21,86.86 49.32,87.74 SW3.1
Net-(D4-A): length 8.2
  Bottom w0.5: SW4.1 68.37,87.74 69.26,86.86 D4.2
Net-(D5-A): length 8.2
  Bottom w0.5: D5.2 88.31,86.86 87.42,87.74 SW5.1
Net-(D6-A): length 8.2
  Bottom w0.5: SW6.1 106.47,87.74 107.36,86.86 D6.2
Net-(D7-A): length 8.2
  Bottom w0.5: D7.2 126.41,86.86 125.52,87.74 SW7.1
Net-(D8-A): length 8.2
  Bottom w0.5: D8.2 145.46,86.86 144.57,87.74 SW8.1
Net-(D9-A): length 8.2
  Bottom w0.5: SW9.1 163.62,87.74 164.51,86.86 D9.2
Net-(D10-A): length 8.2
  Bottom w0.5: D10.2 183.56,86.86 182.67,87.74 SW10.1
Net-(D11-A): length 8.2
  Bottom w0.5: D11.2 202.61,86.86 201.72,87.74 SW11.1
Net-(D12-A): length 8.2
  Bottom w0.5: D12.2 221.66,86.86 220.77,87.74 SW12.1
Net-(D13-A): length 8.2
  Bottom w0.5: D13.2 240.71,86.86 239.82,87.74 SW13.1
Net-(D14-A): length 3.2
  Bottom w0.5: D14.2 264.01,80.28 SW14.1
Net-(D15-A): length 36
  Bottom w0.5: D15.2 266.97,81.23 268.4,82.66 SW16.1 278.88,83.29 278.88,86.79 277.92,87.74 SW15.1
Net-(D17-A): length 8.2
  Bottom w0.5: D17.2 16.87,67.81 15.99,68.69 SW17.1
Net-(D18-A): length 8.2
  Bottom w0.5: D18.2 40.68,67.81 39.8,68.69 SW18.1
Net-(D19-A): length 8.2
  Bottom w0.5: D19.2 59.73,67.81 58.85,68.69 SW19.1
Net-(D20-A): length 8.2
  Bottom w0.5: SW20.1 77.9,68.69 78.78,67.81 D20.2
Net-(D21-A): length 8.2
  Bottom w0.5: D21.2 97.83,67.81 96.95,68.69 SW21.1
Net-(D22-A): length 8.2
  Bottom w0.5: SW22.1 116,68.69 116.88,67.81 D22.2
Net-(D23-A): length 8.2
  Bottom w0.5: D23.2 135.93,67.81 135.05,68.69 SW23.1
Net-(D24-A): length 8.2
  Bottom w0.5: SW24.1 154.1,68.69 154.98,67.81 D24.2
Net-(D25-A): length 8.2
  Bottom w0.5: D25.2 174.03,67.81 173.15,68.69 SW25.1
Net-(D26-A): length 8.2
  Bottom w0.5: SW26.1 192.2,68.69 193.08,67.81 D26.2
Net-(D27-A): length 8.2
  Bottom w0.5: D27.2 212.13,67.81 211.25,68.69 SW27.1
Net-(D28-A): length 8.2
  Bottom w0.5: D28.2 231.18,67.81 230.3,68.69 SW28.1
Net-(D29-A): length 8.2
  Bottom w0.5: SW29.1 249.35,68.69 250.23,67.81 D29.2
Net-(D30-A): length 8.2
  Bottom w0.5: D30.2 274.04,67.81 273.16,68.69 SW30.1
Net-(D32-A): length 19.7
  Bottom w0.5: SW31.1 8.21,49 8.21,45.51 9.16,44.56 SW32.1 ; D32.2 23.5,42.18 SW32.1
Net-(D33-A): length 8.2
  Bottom w0.5: SW33.1 44.56,49.64 45.44,48.76 D33.2
Net-(D34-A): length 8.2
  Bottom w0.5: D34.2 64.49,48.76 63.61,49.64 SW34.1
Net-(D35-A): length 8.2
  Bottom w0.5: D35.2 83.54,48.76 82.66,49.64 SW35.1
Net-(D36-A): length 8.2
  Bottom w0.5: SW36.1 101.71,49.64 102.59,48.76 D36.2
Net-(D37-A): length 8.2
  Bottom w0.5: SW37.1 120.76,49.64 121.64,48.76 D37.2
Net-(D38-A): length 8.2
  Bottom w0.5: SW38.1 139.81,49.64 140.69,48.76 D38.2
Net-(D39-A): length 8.2
  Bottom w0.5: SW39.1 158.86,49.64 159.74,48.76 D39.2
Net-(D40-A): length 8.2
  Bottom w0.5: SW40.1 177.91,49.64 178.79,48.76 D40.2
Net-(D41-A): length 8.2
  Bottom w0.5: SW41.1 196.96,49.64 197.84,48.76 D41.2
Net-(D42-A): length 8.2
  Bottom w0.5: SW42.1 216.01,49.64 216.89,48.76 D42.2
Net-(D43-A): length 8.2
  Bottom w0.5: SW43.1 235.06,49.64 235.94,48.76 D43.2
Net-(D44-A): length 8.2
  Bottom w0.5: D44.2 266.9,48.76 266.02,49.64 SW44.1
Net-(D45-A): length 8.2
  Bottom w0.5: SW45.1 23.13,30.59 24.01,29.71 D45.2
Net-(D46-A): length 8.2
  Bottom w0.5: D46.2 54.97,29.71 54.09,30.59 SW46.1
Net-(D47-A): length 8.2
  Bottom w0.5: SW47.1 73.14,30.59 74.02,29.71 D47.2
Net-(D48-A): length 8.2
  Bottom w0.5: SW48.1 92.19,30.59 93.07,29.71 D48.2
Net-(D49-A): length 8.2
  Bottom w0.5: D49.2 112.12,29.71 111.24,30.59 SW49.1
Net-(D50-A): length 8.2
  Bottom w0.5: D50.2 131.17,29.71 130.29,30.59 SW50.1
Net-(D51-A): length 8.2
  Bottom w0.5: SW51.1 149.34,30.59 150.22,29.71 D51.2
Net-(D52-A): length 8.2
  Bottom w0.5: D52.2 169.27,29.71 168.39,30.59 SW52.1
Net-(D53-A): length 8.2
  Bottom w0.5: SW53.1 187.44,30.59 188.32,29.71 D53.2
Net-(D54-A): length 8.2
  Bottom w0.5: SW54.1 206.49,30.59 207.37,29.71 D54.2
Net-(D55-A): length 8.2
  Bottom w0.5: SW55.1 225.54,30.59 226.42,29.71 D55.2
Net-(D57-A): length 19
  Bottom w0.5: SW57.1 240.96,30.59 D57.2 ; SW56.1 256.54,25.84 256.54,29.27 SW57.1
Net-(D58-A): length 16.4
  Bottom w0.5: SW58.1 267.03,25.51 265.81,24.29 D58.2
Net-(D59-A): length 8.2
  Bottom w0.5: D59.2 16.87,10.66 15.99,11.54 SW59.1
Net-(D60-A): length 8.2
  Bottom w0.5: SW60.1 39.8,11.54 40.68,10.66 D60.2
Net-(D61-A): length 8.2
  Bottom w0.5: SW61.1 63.61,11.54 64.49,10.66 D61.2
Net-(D62-A): length 8.2
  Bottom w0.5: SW62.1 106.47,11.54 107.36,10.66 D62.2
Net-(D63-A): length 8.2
  Bottom w0.5: SW63.1 144.57,11.54 145.46,10.66 D63.2
Net-(D64-A): length 8.2
  Bottom w0.5: D64.2 183.56,10.66 182.67,11.54 SW64.1
Net-(D65-A): length 8.2
  Bottom w0.5: D65.2 226.42,10.66 225.54,11.54 SW65.1
Net-(D66-A): length 8.2
  Bottom w0.5: D66.2 250.23,10.66 249.35,11.54 SW66.1
Net-(D67-A): length 8.2
  Bottom w0.5: SW67.1 273.16,11.54 274.04,10.66 D67.2
Net-(R5-Pad1): length 27.3
  Bottom w0.2: R5.1 47.39,77.95 46.58,78.76 SW68.2 SW68.2
Net-(U2-D+): length 4.4
  Bottom w0.2: U2.47 25.08,61.41 25.37,61.7 R3.2
Net-(U2-D-): length 4.4
  Bottom w0.2: U2.46 24.68,61.48 24.27,61.89 R4.2

## Copper pours and planes (outline as drawn; the poured copper is in the pictures)
+1V1 on Bottom: 24.07,57.23 27.67,57.23 27.67,53.83 25.07,53.83 25.07,53.03 25.87,53.03 25.87,53.23 28.27,53.23 28.27,57.63 25.47,57.63 25.47,57.83 25.07,57.83 25.07,58.23 24.07,58.23
+3V3 on Bottom: 20.19,61.15 20.19,57.84 23.3,57.82 23.27,52.63 28.87,52.63 28.87,58.23 26.07,58.23 25.4,58.34 22.54,61.15
GND on Top, Bottom: -0.52,94.72 285.23,94.72 285.23,-0.53 -0.52,-0.53
